# KiCad board IotKnob.kicad_pcb (continued)
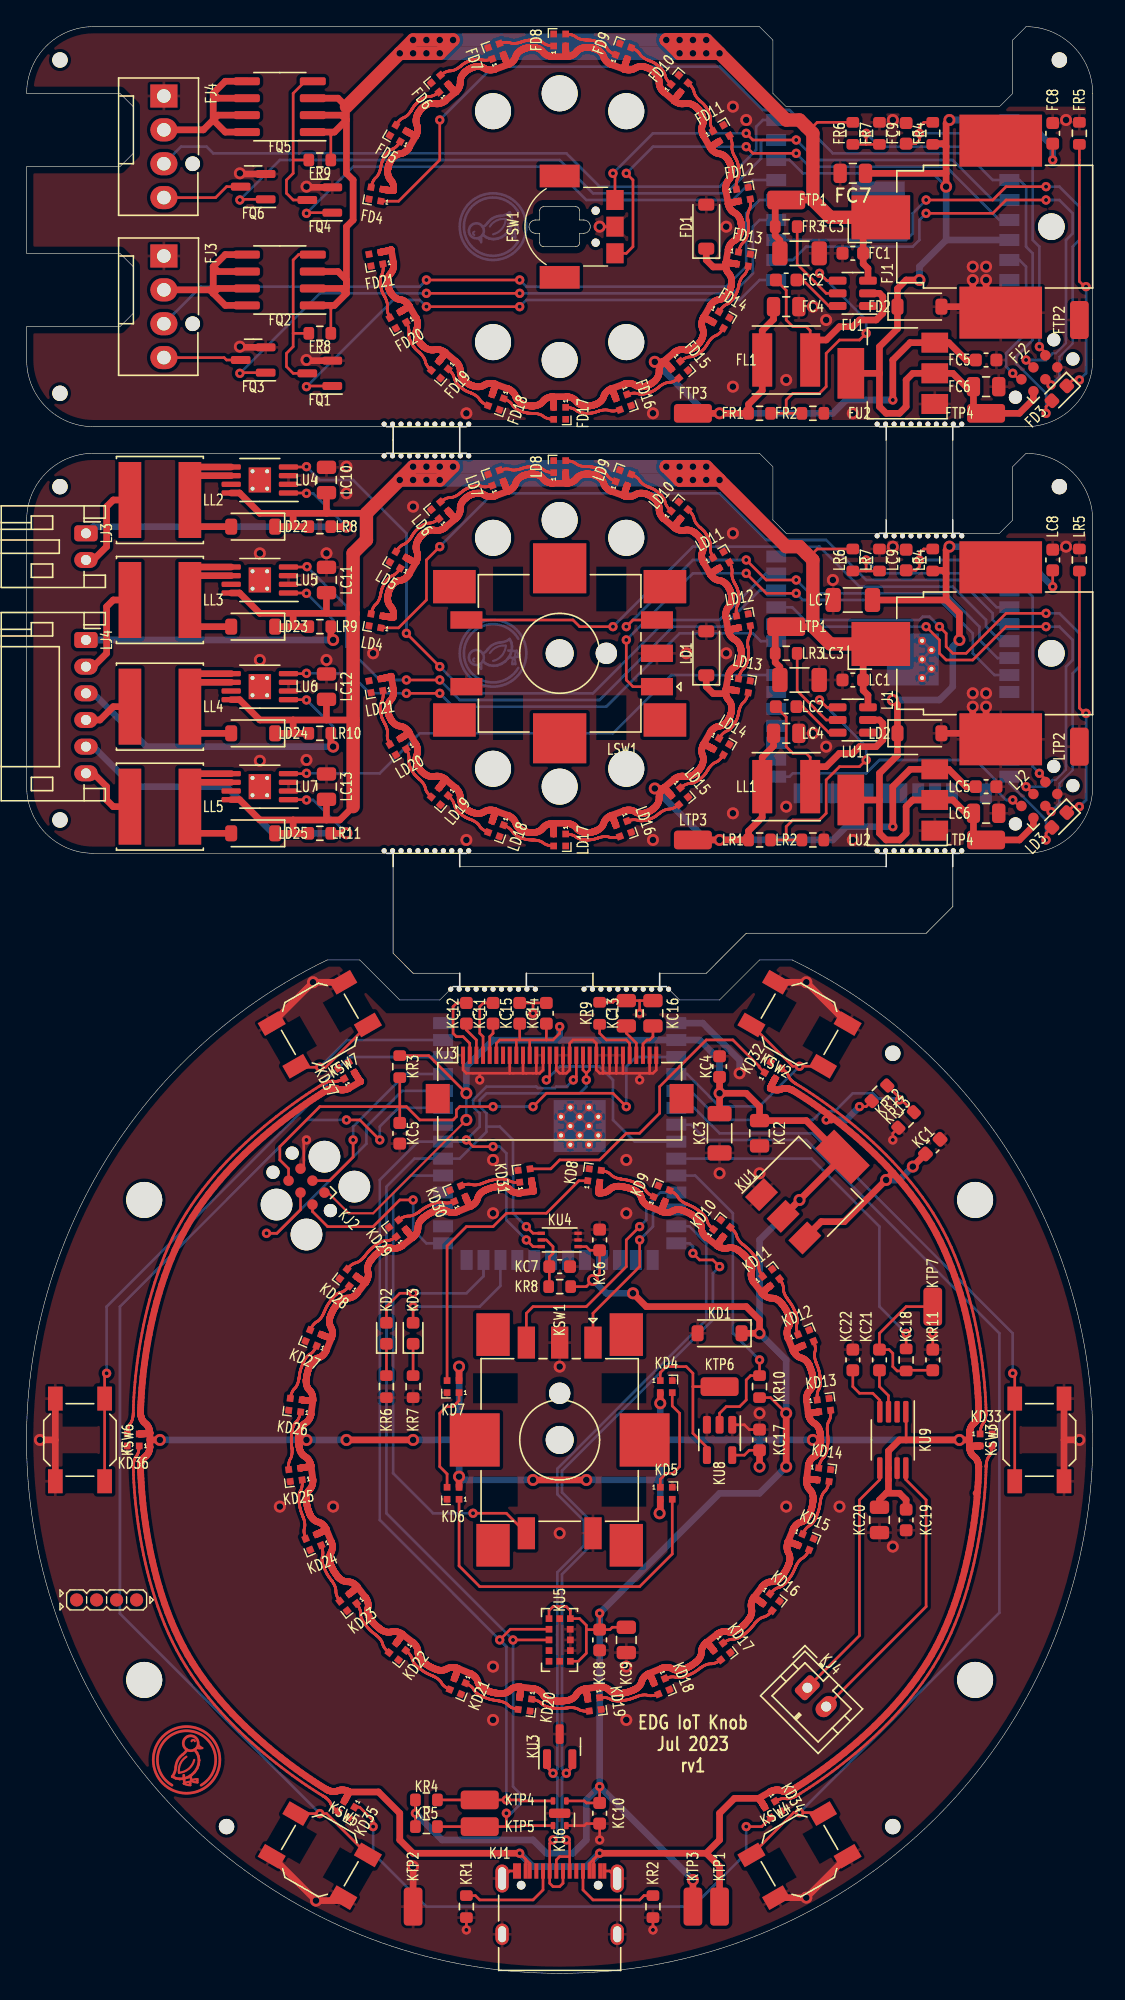
[diagram p0: board, top side]
## Routing (per net, layer and track width the routed paths; a pad name or vN(x,y) marks a point on that pad's centre or on a via; arc(x,y) is an arc through that point) (continued)
50.66,138.44 50.66,138.4 50.66,138.36 50.66,138.32 50.66,138.29 50.66,138.21 50.67,138.18 50.67,138.14 50.68,138.11 50.7,138.05 50.72,137.99 50.72,137.96 50.74,137.92 50.75,137.9 50.77,137.86 50.78,137.83 50.79,137.82 51.29,136.95 ; 24,126.51 24,126.01 ; 24,126.51 24,131.01 24.5,131.51 24.5,134.51 24,135.01 24,139.01 ; 24,126.51 24,127.01 23.36,127.64 FQ2.3 ; 24,126.01 23.64,126.37 FQ2.2 ; 14,139.01 14.36,139.37 16.53,139.37 ; 14,139.01 14,141.01 ; 14,139.01 13.26,138.27 FJ4.2 ; 14,141.01 14.91,141.91 16.53,141.91 ; 14,141.01 14.36,140.64 FQ5.6 ; 62.78,98.48 LC1.1 62.78,96.23 63.14,95.87 LU1.3 ; 40.5,111.76 40.49,111.77 40.49,111.8 40.49,111.81 40.48,111.82 40.48,111.85 40.48,111.86 40.48,111.88 40.48,111.89 40.47,111.93 40.47,111.95 40.47,112 40.47,112.02 40.47,112.05 40.46,112.08 40.46,112.1 40.45,112.28 40.45,112.3 40.45,112.33 40.45,112.35 40.45,112.37 40.45,112.39 40.45,112.41 40.45,112.43 40.45,112.48 40.45,112.49 LD8.2 ; 40.5,111.76 39.49,111.76 39.45,111.76 39.43,111.76 39.41,111.76 39.39,111.77 39.34,111.77 39.31,111.78 39.28,111.78 39.22,111.8 39.19,111.81 39.16,111.82 39.12,111.83 39.09,111.85 39.06,111.86 39.02,111.88 38.99,111.89 38.96,111.91 38.93,111.94 38.89,111.96 38.86,111.98 38.83,112.01 38.8,112.04 38.78,112.07 38.72,112.14 38.7,112.17 38.67,112.2 38.64,112.23 38.61,112.25 38.57,112.28 38.54,112.3 38.51,112.32 38.48,112.34 38.44,112.35 38.41,112.37 38.38,112.38 38.34,112.39 38.31,112.4 38.28,112.41 38.22,112.43 38.19,112.43 38.16,112.44 38.11,112.45 38.09,112.45 38.07,112.45 38.03,112.46 37.96,112.46 37.94,112.46 37.91,112.46 37.89,112.45 37.88,112.45 37.86,112.45 37.85,112.45 37.74,112.45 37.72,112.44 37.7,112.44 37.63,112.43 37.62,112.43 37.59,112.43 37.56,112.42 37.55,112.41 37.53,112.41 37.5,112.4 37.47,112.39 37.45,112.39 37.41,112.37 37.39,112.37 37.34,112.35 37.32,112.34 37.31,112.34 37.3,112.34 37.29,112.33 37.27,112.33 37.26,112.32 37.24,112.31 37.23,112.31 37.19,112.29 37.18,112.28 37.15,112.27 37.11,112.24 37.08,112.23 37.03,112.19 37,112.17 36.98,112.15 36.95,112.13 36.92,112.11 36.9,112.08 36.87,112.05 36.85,112.03 36.82,112 36.8,111.96 36.78,111.93 36.76,111.9 36.74,111.86 36.72,111.82 36.71,111.78 36.69,111.74 36.68,111.7 36.67,111.66 36.65,111.63 36.63,111.59 36.61,111.56 36.59,111.52 36.56,111.49 36.54,111.46 36.52,111.43 36.49,111.41 36.46,111.38 36.41,111.34 36.38,111.31 36.36,111.3 36.33,111.28 36.28,111.24 36.26,111.23 36.23,111.22 36.17,111.19 36.16,111.18 36.14,111.17 36.13,111.17 36.11,111.16 36.11,111.16 ; 40.5,111.76 40.51,111.76 40.55,111.76 40.57,111.76 40.59,111.76 40.61,111.77 40.66,111.77 40.69,111.78 40.72,111.78 40.78,111.8 40.81,111.81 40.84,111.82 40.88,111.83 40.91,111.85 40.94,111.86 40.98,111.88 41.01,111.89 41.04,111.91 41.07,111.94 41.11,111.96 41.14,111.98 41.17,112.01 41.2,112.04 41.22,112.07 41.28,112.14 41.3,112.17 41.33,112.2 41.36,112.23 41.39,112.25 41.43,112.28 41.46,112.3 41.49,112.32 41.52,112.34 41.56,112.35 41.59,112.37 41.62,112.38 41.66,112.39 41.69,112.4 41.72,112.41 41.78,112.43 41.81,112.43 41.84,112.44 41.89,112.45 41.91,112.45 41.93,112.45 41.97,112.46 42.04,112.46 42.06,112.46 42.09,112.46 42.11,112.45 42.12,112.45 42.14,112.45 42.15,112.45 42.26,112.45 42.28,112.44 42.3,112.44 42.37,112.43 42.38,112.43 42.41,112.43 42.44,112.42 42.45,112.41 42.47,112.41 42.5,112.4 42.53,112.39 42.55,112.39 42.59,112.37 42.61,112.37 42.66,112.35 42.68,112.34 42.69,112.34 42.7,112.34 42.71,112.33 42.73,112.33 42.74,112.32 42.76,112.31 42.77,112.31 42.81,112.29 42.82,112.28 42.85,112.27 42.89,112.24 42.92,112.23 42.97,112.19 43,112.17 43.02,112.15 43.05,112.13 43.08,112.11 43.1,112.08 43.13,112.05 43.15,112.03 43.18,112 43.2,111.96 43.22,111.93 43.24,111.9 43.26,111.86 43.28,111.82 43.29,111.78 43.31,111.74 43.32,111.7 43.33,111.66 43.35,111.63 43.37,111.59 43.39,111.56 43.41,111.52 43.44,111.49 43.46,111.46 43.48,111.43 43.51,111.41 43.54,111.38 43.59,111.34 43.62,111.31 43.64,111.3 43.67,111.28 43.72,111.24 43.74,111.23 43.77,111.22 43.83,111.19 43.84,111.18 43.86,111.17 43.87,111.17 43.89,111.16 43.89,111.16 44.83,110.82 ; LD23.1 20,101.01 ; 20,101.01 20,102.01 ; 20,101.01 LR9.1 ; FC4.1 56.05,124.06 55.2,123.21 FL1.2 55.2,118.71 54.17,117.68 FR1.1 FTP3.1 ; 32.19,141.09 32.17,141.1 32.15,141.12 32.13,141.14 32.12,141.14 32.1,141.16 32.04,141.23 32.01,141.26 31.99,141.28 31.95,141.32 31.94,141.34 31.9,141.38 31.85,141.43 31.83,141.45 31.77,141.52 31.76,141.53 31.74,141.55 31.73,141.56 31.72,141.58 31.71,141.59 31.7,141.6 31.67,141.64 31.65,141.65 31.65,141.66 31.64,141.67 ; 32.19,141.09 32.21,141.11 32.23,141.13 32.24,141.14 32.25,141.16 32.27,141.18 32.28,141.19 32.3,141.21 32.32,141.23 32.34,141.26 32.36,141.28 32.39,141.34 32.41,141.36 32.43,141.39 32.44,141.43 32.46,141.46 32.47,141.49 32.49,141.53 32.5,141.56 32.51,141.6 32.52,141.64 32.53,141.68 32.53,141.72 32.54,141.76 32.54,141.8 32.53,141.89 32.54,141.93 32.54,141.97 32.55,142.01 32.55,142.05 32.56,142.09 32.57,142.13 32.59,142.16 32.6,142.2 32.61,142.23 32.63,142.26 32.65,142.3 32.67,142.33 32.7,142.38 32.72,142.41 32.74,142.43 32.75,142.46 32.77,142.48 32.79,142.5 32.81,142.51 32.82,142.53 32.83,142.55 32.85,142.56 32.88,142.59 32.9,142.6 32.91,142.62 32.96,142.65 32.97,142.66 32.99,142.68 33.06,142.73 33.07,142.74 33.08,142.75 33.09,142.76 33.11,142.77 33.12,142.78 33.15,142.79 33.17,142.81 33.18,142.81 33.19,142.82 33.22,142.83 33.26,142.85 33.29,142.87 33.31,142.87 33.34,142.89 33.37,142.9 33.41,142.92 33.47,142.94 33.5,142.95 33.51,142.96 33.52,142.96 33.56,142.97 33.59,142.98 33.61,142.99 33.65,143 33.68,143 33.74,143.01 33.8,143.02 33.83,143.02 33.86,143.02 33.9,143.02 33.94,143.02 33.97,143.02 34.01,143.01 34.05,143.01 34.08,143 34.12,142.99 34.16,142.98 34.2,142.97 34.23,142.95 34.27,142.93 34.31,142.91 34.34,142.89 34.38,142.87 34.42,142.85 34.45,142.83 34.49,142.81 34.53,142.8 34.57,142.79 34.61,142.78 34.64,142.77 34.68,142.77 34.72,142.76 34.75,142.76 34.79,142.76 34.83,142.76 34.86,142.76 34.92,142.76 34.98,142.77 35.01,142.78 35.06,142.79 35.08,142.79 35.12,142.8 35.13,142.81 35.15,142.81 35.17,142.82 36.11,143.16 ; 26.58,129.1 26.61,129.1 26.63,129.11 26.64,129.11 26.66,129.11 26.69,129.12 26.7,129.12 26.72,129.12 26.76,129.13 26.78,129.14 26.8,129.14 26.83,129.14 26.87,129.15 26.92,129.16 26.94,129.17 26.97,129.18 27.1,129.21 27.12,129.21 27.17,129.22 27.19,129.23 27.23,129.24 27.27,129.25 27.31,129.26 27.33,129.27 27.34,129.28 27.36,129.28 27.53,128.3 27.53,128.28 27.54,128.26 27.54,128.25 27.54,128.23 27.54,128.16 27.54,128.11 27.54,128.08 27.54,128.05 27.54,128.02 27.53,127.98 27.53,127.95 27.52,127.92 27.51,127.88 27.5,127.85 27.5,127.81 27.48,127.78 27.47,127.74 27.45,127.7 27.44,127.67 27.42,127.63 27.39,127.6 27.37,127.57 27.34,127.53 27.29,127.47 27.26,127.44 27.24,127.4 27.22,127.37 27.2,127.33 27.18,127.3 27.16,127.26 27.15,127.23 27.14,127.19 27.13,127.15 27.12,127.12 27.11,127.08 27.11,127.05 27.1,127.02 27.1,126.98 27.09,126.95 27.09,126.87 27.09,126.84 27.09,126.79 27.09,126.77 27.09,126.75 27.1,126.73 27.1,126.71 27.11,126.68 27.11,126.64 27.12,126.62 27.12,126.58 27.13,126.55 27.14,126.54 27.14,126.52 27.15,126.49 27.15,126.48 27.15,126.46 27.16,126.44 27.17,126.4 27.17,126.38 27.18,126.36 27.2,126.32 27.21,126.29 27.23,126.25 27.24,126.22 27.26,126.19 27.27,126.16 27.29,126.13 27.29,126.12 27.3,126.11 27.31,126.09 27.32,126.07 27.33,126.04 27.35,126.02 27.36,126 27.37,125.98 27.39,125.95 27.42,125.92 27.43,125.9 27.47,125.86 27.51,125.82 27.53,125.79 27.55,125.77 27.58,125.75 27.61,125.73 27.63,125.7 27.66,125.68 27.69,125.66 27.73,125.64 27.76,125.62 27.79,125.61 27.83,125.59 27.87,125.58 27.91,125.56 27.95,125.55 27.99,125.54 28.03,125.54 28.07,125.53 28.11,125.53 28.15,125.51 28.19,125.5 28.23,125.49 28.27,125.47 28.3,125.45 28.33,125.44 28.37,125.42 28.4,125.4 28.43,125.37 28.45,125.35 28.48,125.33 28.51,125.31 28.53,125.28 28.55,125.26 28.61,125.2 28.64,125.16 28.67,125.12 28.69,125.1 28.7,125.08 28.71,125.06 ; 20,93.01 LR10.1 ; 20,93.01 LD24.1 ; 20,93.01 20,94.01 ; 32.19,109.09 32.21,109.11 32.23,109.13 32.24,109.14 32.25,109.16 32.27,109.18 32.28,109.19 32.3,109.21 32.32,109.23 32.34,109.26 32.36,109.28 32.39,109.34 32.41,109.36 32.43,109.39 32.44,109.43 32.46,109.46 32.47,109.49 32.49,109.53 32.5,109.56 32.51,109.6 32.52,109.64 32.53,109.68 32.53,109.72 32.54,109.76 32.54,109.8 32.53,109.89 32.54,109.93 32.54,109.97 32.55,110.01 32.55,110.05 32.56,110.09 32.57,110.13 32.59,110.16 32.6,110.2 32.61,110.23 32.63,110.26 32.65,110.3 32.67,110.33 32.7,110.38 32.72,110.41 32.74,110.43 32.75,110.46 32.77,110.48 32.79,110.5 32.81,110.51 32.82,110.53 32.83,110.55 32.85,110.56 32.88,110.59 32.9,110.6 32.91,110.62 32.96,110.65 32.97,110.66 32.99,110.68 33.06,110.73 33.07,110.74 33.08,110.75 33.09,110.76 33.11,110.77 33.12,110.78 33.15,110.79 33.17,110.81 33.18,110.81 33.19,110.82 33.22,110.83 33.26,110.85 33.29,110.87 33.31,110.87 33.34,110.89 33.37,110.9 33.41,110.92 33.47,110.94 33.5,110.95 33.51,110.96 33.52,110.96 33.56,110.97 33.59,110.98 33.61,110.99 33.65,111 33.68,111 33.74,111.01 33.8,111.02 33.83,111.02 33.86,111.02 33.9,111.02 33.94,111.02 33.97,111.02 34.01,111.01 34.05,111.01 34.08,111 34.12,110.99 34.16,110.98 34.2,110.97 34.23,110.95 34.27,110.93 34.31,110.91 34.34,110.89 34.38,110.87 34.42,110.85 34.45,110.83 34.49,110.81 34.53,110.8 34.57,110.79 34.61,110.78 34.64,110.77 34.68,110.77 34.72,110.76 34.75,110.76 34.79,110.76 34.83,110.76 34.86,110.76 34.92,110.76 34.98,110.77 35.01,110.78 35.06,110.79 35.08,110.79 35.12,110.8 35.13,110.81 35.15,110.81 35.17,110.82 36.11,111.16 ; 32.19,109.09 31.42,108.45 31.4,108.44 31.39,108.43 31.38,108.42 31.35,108.4 31.31,108.37 31.28,108.36 31.26,108.35 31.23,108.33 31.21,108.32 31.18,108.31 31.15,108.29 31.12,108.28 31.08,108.27 31.05,108.26 31.02,108.25 30.98,108.24 30.94,108.23 30.91,108.22 30.87,108.22 30.83,108.22 30.79,108.22 30.75,108.22 30.7,108.22 30.66,108.23 30.58,108.25 30.54,108.25 30.5,108.26 30.46,108.26 30.42,108.26 30.38,108.26 30.34,108.25 30.3,108.25 30.23,108.23 30.19,108.22 30.16,108.21 30.13,108.2 30.09,108.18 30.06,108.17 30.01,108.14 29.96,108.12 29.92,108.09 29.9,108.08 29.85,108.05 29.84,108.04 29.83,108.03 29.76,107.97 29.74,107.95 29.73,107.95 29.66,107.88 29.65,107.87 29.64,107.86 29.59,107.81 29.56,107.78 29.55,107.76 29.52,107.73 29.49,107.69 29.48,107.67 29.45,107.62 29.44,107.61 29.43,107.59 29.41,107.57 29.41,107.55 29.39,107.53 29.38,107.51 29.37,107.49 29.36,107.47 29.35,107.46 29.34,107.45 29.33,107.43 29.33,107.42 29.32,107.4 29.31,107.38 29.3,107.36 29.28,107.31 29.28,107.29 29.26,107.23 29.24,107.17 29.23,107.1 29.22,107.06 29.22,106.99 29.22,106.95 29.22,106.92 29.22,106.88 29.22,106.84 29.23,106.8 29.24,106.76 29.25,106.72 29.26,106.68 29.28,106.64 29.3,106.6 29.31,106.56 29.32,106.52 29.33,106.48 29.34,106.44 29.34,106.4 29.34,106.36 29.34,106.32 29.34,106.29 29.34,106.21 29.33,106.18 29.33,106.14 29.32,106.11 29.3,106.05 29.28,105.99 29.28,105.96 29.26,105.92 29.25,105.9 29.23,105.86 29.22,105.83 29.21,105.82 ; 32.19,109.09 32.17,109.1 32.15,109.12 32.13,109.14 32.12,109.14 32.1,109.16 32.04,109.23 32.01,109.26 31.99,109.28 31.95,109.32 31.94,109.34 31.9,109.38 31.85,109.43 31.83,109.45 31.77,109.52 31.76,109.53 31.74,109.55 31.73,109.56 31.72,109.58 31.71,109.59 31.7,109.6 31.67,109.64 31.65,109.65 31.65,109.66 31.64,109.67 ; 35.17,87.2 36.11,86.85 36.13,86.85 36.14,86.84 36.17,86.83 36.21,86.81 36.23,86.8 36.26,86.78 36.28,86.77 36.33,86.74 36.36,86.72 36.38,86.7 36.41,86.68 36.46,86.63 36.49,86.61 36.52,86.58 36.54,86.55 36.56,86.52 36.59,86.49 36.61,86.46 36.63,86.42 36.65,86.39 36.67,86.35 36.68,86.31 36.69,86.27 36.71,86.23 36.72,86.19 36.74,86.15 36.76,86.12 36.78,86.08 36.8,86.05 36.82,86.02 36.85,85.99 36.87,85.96 36.9,85.93 36.92,85.91 36.95,85.88 36.98,85.86 37,85.84 37.06,85.8 37.08,85.79 37.11,85.77 37.15,85.74 37.18,85.73 37.19,85.72 37.23,85.7 37.24,85.7 37.26,85.69 37.27,85.69 37.3,85.68 37.3,85.67 37.31,85.67 37.32,85.67 37.37,85.65 37.39,85.64 37.41,85.64 37.45,85.63 37.47,85.62 37.5,85.61 37.53,85.6 37.55,85.6 37.56,85.6 37.59,85.59 37.62,85.58 37.69,85.57 37.7,85.57 37.72,85.57 37.74,85.57 37.85,85.56 37.86,85.56 37.88,85.56 37.89,85.56 37.91,85.56 37.94,85.56 37.96,85.56 38.01,85.56 38.05,85.56 38.07,85.56 38.09,85.56 38.11,85.57 38.16,85.57 38.19,85.58 38.22,85.58 38.28,85.6 38.31,85.61 38.34,85.62 38.38,85.63 38.41,85.65 38.44,85.66 38.48,85.68 38.51,85.69 38.54,85.71 38.57,85.74 38.61,85.76 38.64,85.78 38.67,85.81 38.7,85.84 38.72,85.87 38.78,85.94 38.8,85.97 38.83,86 38.86,86.03 38.89,86.05 38.93,86.08 38.96,86.1 38.99,86.12 39.02,86.14 39.06,86.15 39.09,86.17 39.12,86.18 39.16,86.19 39.19,86.2 39.22,86.21 39.28,86.23 39.31,86.23 39.34,86.24 39.39,86.25 39.41,86.25 39.43,86.25 39.47,86.26 39.5,86.26 ; 35.17,87.2 35.15,87.2 35.13,87.21 35.12,87.21 35.08,87.22 35.03,87.23 35.01,87.24 34.95,87.24 34.92,87.25 34.86,87.25 34.83,87.25 34.79,87.25 34.75,87.25 34.72,87.25 34.68,87.25 34.64,87.24 34.61,87.23 34.57,87.22 34.53,87.21 34.49,87.2 34.45,87.18 34.42,87.17 34.38,87.15 34.34,87.12 34.31,87.1 34.27,87.08 34.23,87.06 34.2,87.05 34.16,87.03 34.12,87.02 34.08,87.01 34.05,87.01 34.01,87 33.97,87 33.94,87 33.9,86.99 33.86,86.99 33.83,87 33.8,87 33.74,87 33.68,87.01 33.65,87.02 33.61,87.03 33.59,87.03 33.56,87.04 33.53,87.05 33.52,87.05 33.5,87.06 33.49,87.06 33.47,87.07 33.43,87.08 33.41,87.09 33.37,87.11 33.34,87.12 33.31,87.14 33.29,87.14 33.23,87.17 33.21,87.19 33.19,87.19 33.18,87.2 33.17,87.21 33.15,87.22 33.12,87.24 33.11,87.25 33.09,87.26 33.08,87.27 33.07,87.28 33.06,87.28 32.99,87.33 32.97,87.35 32.93,87.38 32.9,87.41 32.88,87.43 32.86,87.44 32.85,87.45 32.83,87.47 32.82,87.48 32.81,87.5 32.79,87.52 32.75,87.56 32.74,87.58 32.72,87.6 32.7,87.63 32.67,87.69 32.65,87.72 32.63,87.75 32.61,87.78 32.6,87.82 32.59,87.85 32.57,87.89 32.56,87.92 32.55,87.96 32.55,88 32.54,88.04 32.54,88.08 32.53,88.13 32.54,88.21 32.54,88.25 32.53,88.29 32.53,88.33 32.52,88.37 32.51,88.41 32.5,88.45 32.49,88.49 32.47,88.52 32.46,88.55 32.44,88.59 32.43,88.62 32.41,88.65 32.39,88.68 32.36,88.73 32.34,88.76 32.32,88.78 32.3,88.8 32.28,88.82 32.27,88.84 32.25,88.85 32.24,88.87 32.23,88.88 32.21,88.9 32.19,88.92 31.42,89.56 ; 35.17,87.2 35.17,87.2 35.17,87.19 35.17,87.17 35.17,87.16 35.16,87.13 35.16,87.12 35.16,87.1 35.15,87.09 35.15,87.08 35.14,87.06 35.14,87.02 35.13,87 35.12,86.98 35.12,86.96 35.11,86.93 35.1,86.91 35.09,86.88 35.07,86.81 35.06,86.78 35.05,86.73 35.04,86.71 35.03,86.69 35.02,86.64 35,86.58 34.98,86.55 34.98,86.53 34.97,86.52 34.96,86.49 34.96,86.48 34.95,86.45 LD18.2 ; 47.88,88.87 47.87,88.88 47.85,88.89 47.83,88.91 47.81,88.92 ; 47.88,88.87 47.9,88.85 47.96,88.79 47.99,88.75 48.01,88.73 48.05,88.7 48.06,88.68 48.1,88.64 48.15,88.58 48.17,88.56 48.23,88.49 48.24,88.48 48.26,88.46 48.27,88.45 48.28,88.43 48.29,88.42 48.3,88.41 48.33,88.38 48.35,88.36 48.35,88.35 48.36,88.34 ; 47.88,88.87 v1(47.14,88.87) ; 5,90.01 6,89.01 6,88.01 6.5,87.51 LL5.1 ; 44.83,110.82 44.85,110.81 44.87,110.81 44.88,110.8 44.92,110.79 44.97,110.78 44.99,110.78 45.05,110.77 45.08,110.76 45.14,110.76 45.17,110.76 45.21,110.76 45.25,110.76 45.28,110.76 45.32,110.77 45.36,110.77 45.39,110.78 45.43,110.79 45.47,110.8 45.51,110.81 45.55,110.83 45.58,110.85 45.62,110.87 45.66,110.89 45.69,110.91 45.73,110.93 45.77,110.95 45.8,110.97 45.84,110.98 45.88,110.99 45.92,111 45.95,111.01 45.99,111.01 46.03,111.02 46.06,111.02 46.1,111.02 46.14,111.02 46.17,111.02 46.2,111.02 46.26,111.01 46.32,111 46.35,111 46.39,110.99 46.41,110.98 46.44,110.97 46.47,110.97 46.48,110.96 46.5,110.95 46.51,110.95 46.53,110.94 46.57,110.93 46.59,110.92 46.63,110.9 46.66,110.89 46.69,110.87 46.71,110.87 46.77,110.84 46.79,110.83 46.81,110.82 46.82,110.81 46.83,110.81 46.85,110.79 46.88,110.78 46.89,110.77 46.91,110.76 46.92,110.75 46.93,110.74 46.94,110.73 47.01,110.68 47.03,110.66 47.07,110.63 47.1,110.61 47.12,110.59 47.14,110.57 47.15,110.56 47.17,110.55 47.18,110.53 47.19,110.51 47.21,110.5 47.23,110.48 47.25,110.46 47.26,110.43 47.28,110.41 47.3,110.38 47.33,110.33 47.35,110.3 47.37,110.26 47.39,110.23 47.4,110.2 47.41,110.16 47.43,110.13 47.44,110.09 47.45,110.05 47.45,110.01 47.46,109.97 47.46,109.93 47.47,109.89 47.46,109.8 47.46,109.76 47.47,109.72 47.47,109.68 47.48,109.64 47.49,109.6 47.5,109.56 47.51,109.53 47.53,109.49 47.54,109.46 47.56,109.43 47.57,109.39 47.59,109.36 47.61,109.34 47.64,109.28 47.66,109.26 47.68,109.23 47.7,109.21 47.72,109.19 47.73,109.18 47.75,109.16 47.76,109.14 47.77,109.13 47.79,109.11 47.81,109.09 48.58,108.45 ; 28.04,92.62 28.07,92.64 28.11,92.66 28.14,92.68 28.18,92.71 28.2,92.72 28.22,92.73 28.24,92.74 28.26,92.75 28.28,92.76 28.3,92.78 28.34,92.8 28.43,92.86 28.45,92.87 28.49,92.9 28.51,92.92 28.53,92.93 28.59,92.97 28.6,92.98 28.61,92.99 28.65,93.01 28.67,93.02 28.69,93.04 28.7,93.05 28.71,93.06 ; 31.42,89.56 31.4,89.58 31.39,89.58 31.38,89.59 31.35,89.61 31.31,89.64 31.28,89.65 31.26,89.67 31.23,89.68 31.21,89.69 31.18,89.71 31.15,89.72 31.12,89.73 31.08,89.74 31.05,89.76 31.02,89.77 30.98,89.77 30.94,89.78 30.91,89.79 30.87,89.79 30.83,89.8 30.79,89.8 30.75,89.79 30.7,89.79 30.66,89.78 30.58,89.77 30.54,89.76 30.5,89.76 30.46,89.75 30.42,89.75 30.38,89.76 30.34,89.76 30.3,89.77 30.23,89.78 30.19,89.79 30.16,89.81 30.13,89.82 30.09,89.83 30.06,89.84 30.01,89.87 29.96,89.9 29.92,89.92 29.9,89.93 29.85,89.97 29.84,89.97 29.83,89.98 29.76,90.04 29.74,90.06 29.73,90.07 29.66,90.13 29.65,90.14 29.64,90.15 29.59,90.2 29.56,90.23 29.55,90.25 29.52,90.29 29.49,90.33 29.48,90.34 29.45,90.39 29.44,90.41 29.43,90.42 29.41,90.45 29.41,90.46 29.39,90.48 29.38,90.5 29.37,90.52 29.36,90.54 29.35,90.55 29.34,90.56 29.33,90.58 29.33,90.6 29.32,90.61 29.31,90.63 29.3,90.65 29.28,90.7 29.28,90.73 29.26,90.78 29.24,90.85 29.23,90.91 29.22,90.95 29.22,91.02 29.22,91.06 29.22,91.1 29.22,91.14 29.22,91.18 29.23,91.21 29.24,91.25 29.25,91.29 29.26,91.33 29.28,91.37 29.3,91.41 29.31,91.45 29.32,91.49 29.33,91.53 29.34,91.57 29.34,91.61 29.34,91.65 29.34,91.69 29.34,91.73 29.34,91.8 29.33,91.84 29.33,91.87 29.32,91.9 29.3,91.97 29.28,92.02 29.28,92.05 29.26,92.1 29.25,92.12 29.23,92.15 29.22,92.19 29.21,92.2 28.71,93.06 ; 31.42,89.56 31.42,89.56 31.41,89.54 31.39,89.51 31.38,89.49 31.37,89.47 31.36,89.45 31.34,89.43 31.32,89.39 31.3,89.37 31.26,89.31 31.24,89.29 31.23,89.27 31.21,89.25 31.19,89.23 31.16,89.19 31.12,89.13 31.09,89.09 31.08,89.08 31.06,89.06 31.04,89.03 31.03,89.01 30.98,88.96 30.96,88.94 30.96,88.93 30.95,88.92 LD19.2 ; 20.5,85.51 20,85.51 20,86.51 ; 20.5,85.51 LR11.1 ; 20.5,85.51 LD25.1 ; 59,101.01 LTP1.1 ; 26.58,97.1 26.61,97.1 26.63,97.11 26.64,97.11 26.66,97.11 26.69,97.12 26.7,97.12 26.72,97.12 26.76,97.13 26.78,97.14 26.8,97.14 26.83,97.14 26.87,97.15 26.92,97.16 26.94,97.17 26.97,97.18 27.1,97.21 27.12,97.21 27.17,97.22 27.19,97.23 27.23,97.24 27.27,97.25 27.31,97.26 27.33,97.27 27.34,97.28 27.36,97.28 27.53,96.3 27.53,96.28 27.54,96.26 27.54,96.25 27.54,96.23 27.54,96.16 27.54,96.11 27.54,96.08 27.54,96.05 27.54,96.02 27.53,95.98 27.53,95.95 27.52,95.92 27.51,95.88 27.5,95.85 27.5,95.81 27.48,95.78 27.47,95.74 27.45,95.7 27.44,95.67 27.42,95.63 27.39,95.6 27.37,95.57 27.34,95.53 27.29,95.47 27.26,95.44 27.24,95.4 27.22,95.37 27.2,95.33 27.18,95.3 27.16,95.26 27.15,95.23 27.14,95.19 27.13,95.15 27.12,95.12 27.11,95.08 27.11,95.05 27.1,95.02 27.1,94.98 27.09,94.95 27.09,94.87 27.09,94.84 27.09,94.79 27.09,94.77 27.09,94.75 27.1,94.73 27.1,94.71 27.11,94.68 27.11,94.64 27.12,94.62 27.12,94.58 27.13,94.55 27.14,94.54 27.14,94.52 27.15,94.49 27.15,94.48 27.15,94.46 27.16,94.44 27.17,94.4 27.17,94.38 27.18,94.36 27.2,94.32 27.21,94.29 27.23,94.25 27.24,94.22 27.26,94.19 27.27,94.16 27.29,94.13 27.29,94.12 27.3,94.11 27.31,94.09 27.32,94.07 27.33,94.04 27.35,94.02 27.36,94 27.37,93.98 27.39,93.95 27.42,93.92 27.43,93.9 27.47,93.86 27.51,93.82 27.53,93.79 27.55,93.77 27.58,93.75 27.61,93.73 27.63,93.7 27.66,93.68 27.69,93.66 27.73,93.64 27.76,93.62 27.79,93.61 27.83,93.59 27.87,93.58 27.91,93.56 27.95,93.55 27.99,93.54 28.03,93.54 28.07,93.53 28.11,93.53 28.15,93.51 28.19,93.5 